# Altium PCB 删除机械层.PcbDoc (continued)
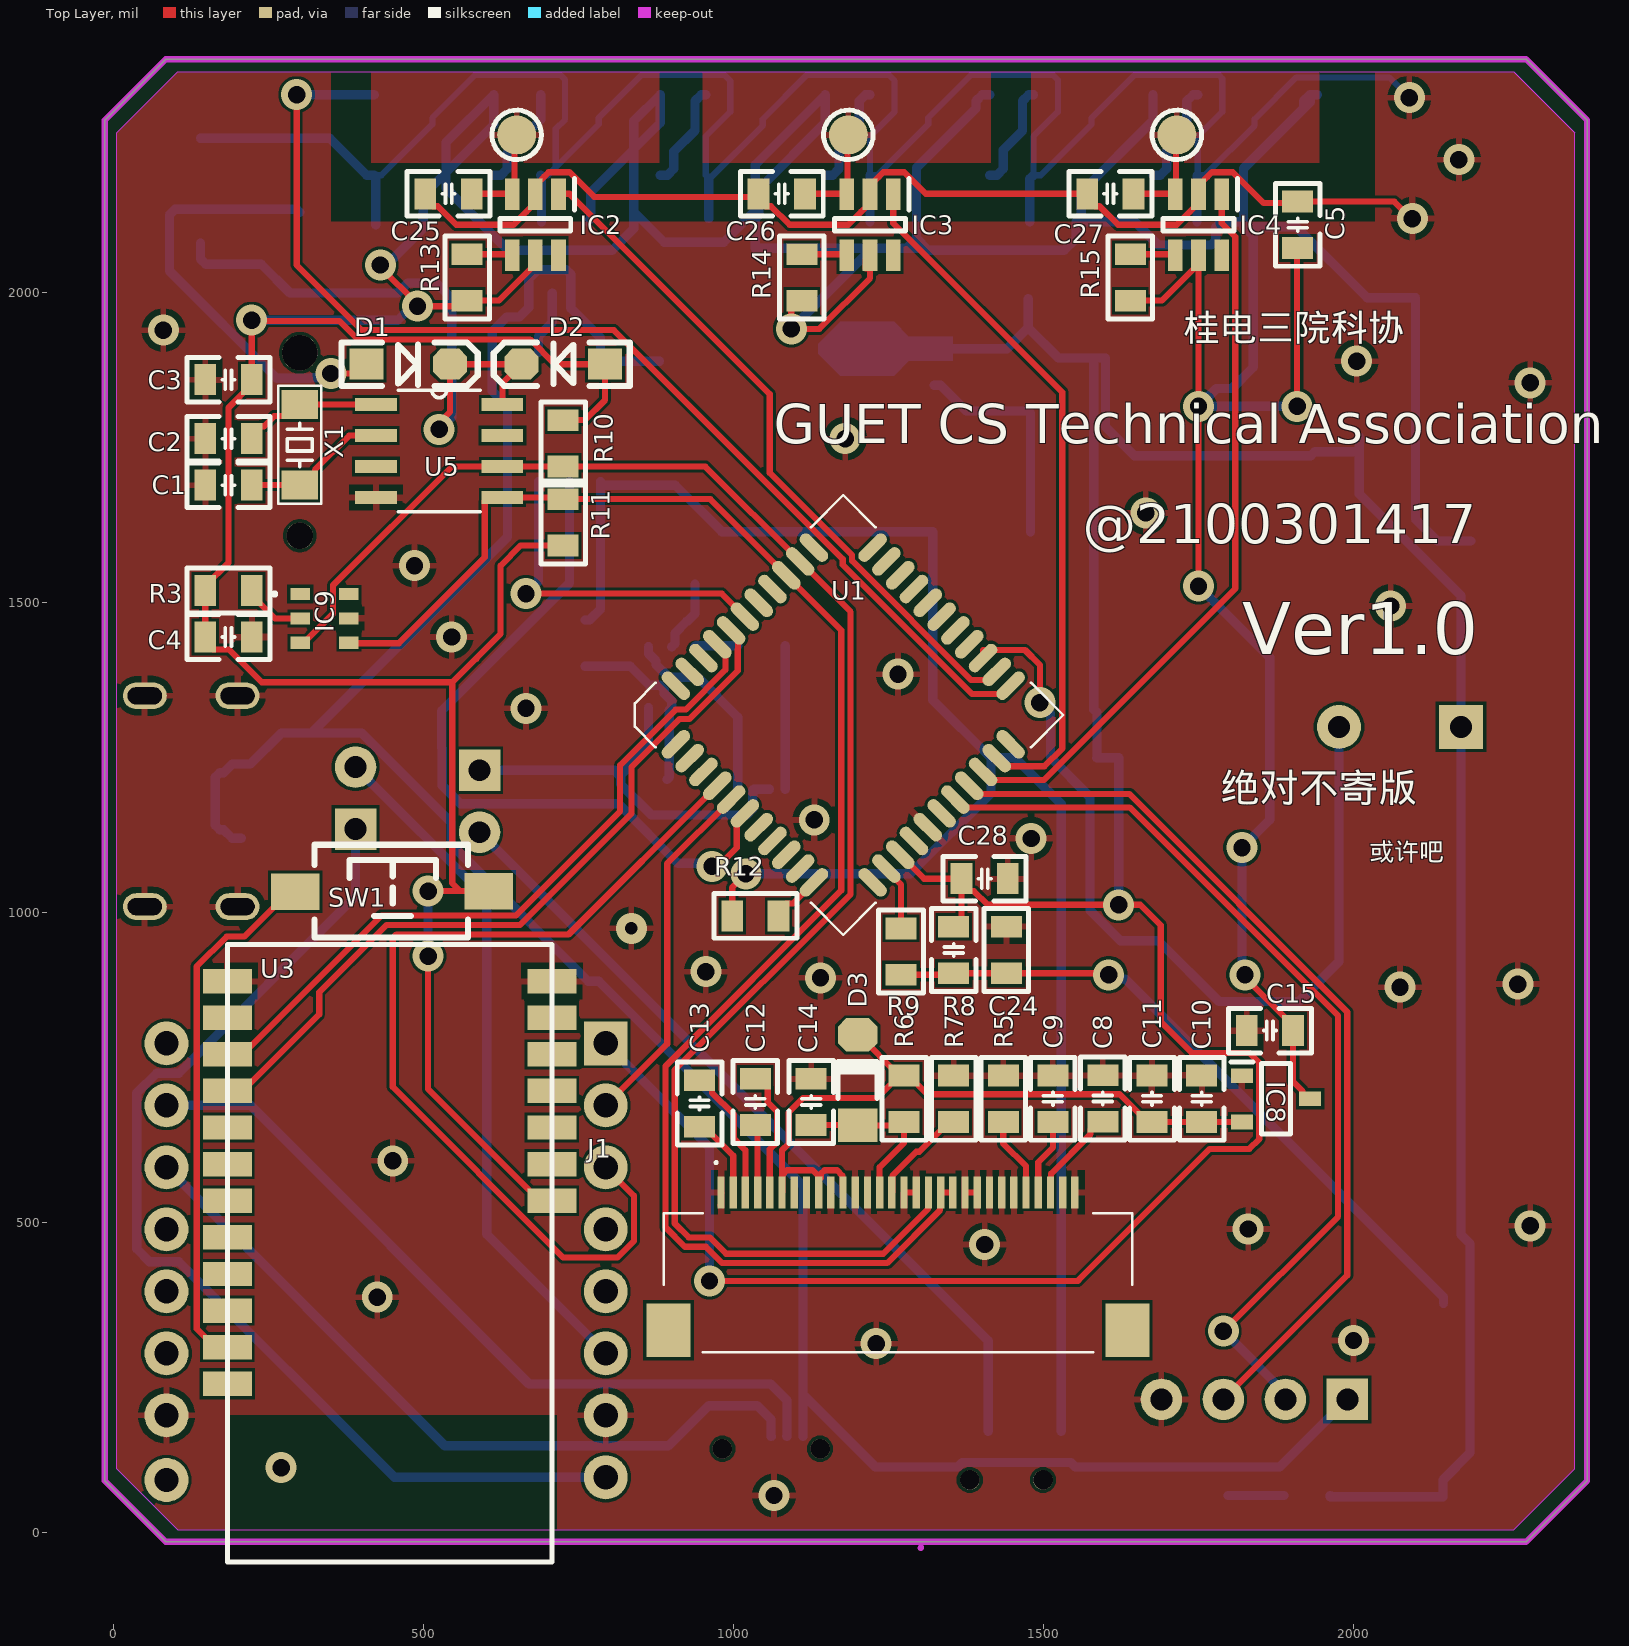
[diagram p0: Top Layer view]
## Footprints (in the part's own frame and the unit in brackets; to place one, negate y for a bottom-side part, rotate by r counter-clockwise, add the part's x,y. Pads: shape width x height; smd on the part's side, far side on the other; paste and mask are expansions set on the pad) (continued)

## Part data
Battery Speaker: library part "Header 2", "2P接插件", BOM名称=2P接插件, 封装库来自淘宝卖家 ID：黄晶宝石=其他店铺购入均为盗版假冒封装库, 联系卖家，免费查找封装=唯一出售店铺网址https://shop463601444.taobao.com
BatterySwitch: library part SSW-1P, "1路波动开关", BOM名称=波动开关, 封装库来自淘宝卖家ID：黄晶宝石=其他店铺购入均为盗版假冒封装库，请立即申请退款, 联系卖家，免费查找封装=唯一出售店铺网址https://shop463601444.taobao.com
C1 C2 C3 C4 C5 C6 C7 C8 C9 C10 C11 C12 C13 C14 C15 C16 C17 C18 C19 C20 C21 C24 C25 C26 C27 C28: library part C, "贴片电容", BOM名称=无极性贴片电容, 联系卖家，免费查找封装=唯一出售店铺网址https://shop463601444.taobao.com
CR1: library part CR-3V, "微型电池", BOM名称=微型电池, 封装库来自淘宝卖家ID：黄晶宝石=其他店铺购入均为盗版假冒封装库，请立即申请退款, 联系卖家，免费查找封装=唯一出售店铺网址https://shop463601444.taobao.com
D1 D2: "Zener Diode", 联系卖家，免费查找封装=唯一出售店铺网址https://shop463601444.taobao.com
D3: "开关二极管", BOM名称=高速开关二极管, 联系卖家，免费查找封装=唯一出售店铺网址https://shop463601444.taobao.com
D4: "肖特基二极管", BOM名称=肖特基二极管, 属性=40V/1A, 联系卖家，免费查找封装=唯一出售店铺网址https://shop463601444.taobao.com
Debug: library part "Header 4", "4P接插件", BOM名称=4P接插件, 封装库来自淘宝卖家 ID：黄晶宝石=其他店铺购入均为盗版假冒封装库, 联系卖家，免费查找封装=唯一出售店铺网址https://shop463601444.taobao.com
E1 E2 E3 E4 E5 E6 E7 E8: library part CE_SMD, "贴片电解电容", BOM名称=贴片电解电容, 联系卖家，免费查找封装=唯一出售店铺网址https://shop463601444.taobao.com
IC2 IC3 IC4: "Integrated Circuit", Manufacturer_Name=TONTEK, Datasheet Link=https://radiokot.ru/konkursCatDay2014/53/01.pdf, Height=1.26mm, Manufacturer_Part_Number=TTP223-BA6
IC6: "锂电池充电管理", BOM名称=锂电池充电管理, 封装库来自淘宝卖家 ID：黄晶宝石=其他店铺购入均为盗版，请立即申请退款，本店现金奖励5~20元, 联系卖家 免费查找封装=唯一出售店铺网址https://shop463601444.taobao.com
IC7: "Integrated Circuit", Manufacturer_Name="Fortune Semiconductor Corporation", Datasheet Link=http://acoptex.com/uploads/DW01A.pdf, Height=1.35mm, Manufacturer_Part_Number=DW01A-G
IC8: "Integrated Circuit", Manufacturer_Name=Torex, Datasheet Link=http://www.torexsemi.com/products/voltage_regulators/data/XC6206.pdf, Height=1.3mm, Manufacturer_Part_Number=XC6206P332MR
IC9: "Integrated Circuit", Manufacturer_Name=Adafruit, Datasheet Link=https://cdn-learn.adafruit.com/assets/assets/000/091/676/original/AHT20-datasheet-2020-4-16.pdf?1591047915, Height=1.1mm, Manufacturer_Part_Number=AHT20
J1: "Connector", Manufacturer_Name="Kyocera Electronic Components", Mouser Part Number=581-046288030000846+, Datasheet Link=https://global.kyocera.com/prdct/electro/product/pdf/6288.pdf, Height=2.15mm, Manufacturer_Part_Number=046288030000846+, Mouser Price/Stock=https://www.mouser.co.uk/ProductDetail/Kyocera-Electronic-Components/046288030000846%2b?qs=HmNO9%252B%2F6HD5kPR%2FYbA40zA%3D%3D
L1: library part L-SMD, "CD系列贴片线绕功率电感", BOM名称=功率电感, 联系卖家，免费查找封装=唯一出售店铺网址https://shop463601444.taobao.com
LED1 LED2 LED3 LED4 LED5 LED6: "LED", Manufacturer_Name=Worldsemi, Datasheet Link=http://www.world-semi.com/DownLoadFile/111, Height=1.62mm, Manufacturer_Part_Number=WS2812B-B
LED7: library part LED-SMD, "贴片LED", BOM名称=贴片LED, 联系卖家 免费查找封装=封装库来自淘宝卖家ID：黄晶宝石
LS1: library part BEEP, "蜂鸣器", BOM名称=蜂鸣器, 封装库来自淘宝卖家ID：黄晶宝石=其他店铺购入均为盗版假冒封装库，请立即申请退款, 联系卖家，免费查找封装=唯一出售店铺网址https://shop463601444.taobao.com
MP3PlayerData: "USB2.0_Micro-B母座", BOM名称=USB2.0_Micro-B母座, 联系卖家 免费技术支持=封装库来自淘宝卖家ID：黄晶宝石, 联系卖家 免费查找封装=唯一出售店铺网址https://shop463601444.taobao.com
Power: "USB_TYPE-C_6Pin母座", 联系卖家 免费技术支持=封装库来自淘宝卖家ID：黄晶宝石, 联系卖家 免费查找封装=唯一出售店铺网址https://shop463601444.taobao.com
PS1: "PFM Step-up Step-up Step-up Step-up DC/DC Converter", Package=Package, Availability=Unavailable, Check_prices=https://www.snapeda.com/parts/ME2108A33P/Nanjing%20Micro%20One%20Electronics/view-part/4258047/?ref=eda, MF="Nanjing Micro One Electronics", MP=ME2108A33P, Price=None, SnapEDA_Link=https://www.snapeda.com/parts/ME2108A33P/Nanjing%20Micro%20One%20Electronics/view-part/4258047/?ref=snap
Q1: "MOSFET (N-Channel)", Manufacturer_Name=fortune, Datasheet Link=http://www.ic-fortune.com/upload/Download/FS8205A-DS-12_EN.pdf, Height=1.2mm, Manufacturer_Part_Number=FS8205A
R1 R2 R3 R4 R5 R6 R7 R8 R9 R10 R11 R12 R13 R14 R15 R16: library part R, "贴片电阻", BOM名称=贴片电阻, 联系卖家，免费查找封装=唯一出售店铺网址https://shop463601444.taobao.com
Reset SW1: library part "SW 3x6", "3x6轻触开关", BOM名称=3x6轻触开关, 封装库来自淘宝卖家ID：黄晶宝石=其他店铺购入均为盗版假冒封装库，请立即申请退款, 联系卖家，免费查找封装=唯一出售店铺网址https://shop463601444.taobao.com
TP1 TP2 TP3: "测试点", BOM名称=测试点, 封装库来自淘宝卖家ID：黄晶宝石=其他店铺购入均为盗版假冒封装库，请立即申请退款, 联系卖家，免费查找封装=唯一出售店铺网址https://shop463601444.taobao.com
U1: library part STC15W4K60S4_LQFP44
U3: "蓝牙模块", 联系卖家，免费查找封装=唯一出售店铺网址https://shop463601444.taobao.com
U4: library part "Mini MP3 Player", "MP3模块", BOM名称=MP3模块, 卖家免费技术支持，联系售后=唯一出售店铺网址https://shop463601444.taobao.com
U5: "Real Time Clock (RTC) IC Clock/Calendar IÂ²C, 2-Wire Serial 8-SOIC (0.154, 3.90mm Width)", Package="SOIC-8 NXP Semiconductors", Availability=Good, Check_prices=https://www.snapeda.com/parts/PCF8563T/F4,118/NXP%20USA%20Inc./view-part/32409/?ref=eda, MF="NXP USA", MP=PCF8563T/F4,118, Price=None, Purchase-URL=https://pricing.snapeda.com/search/part/PCF8563T/F4,118/?ref=eda, SnapEDA_Link=https://www.snapeda.com/parts/PCF8563T/F4,118/NXP%20USA%20Inc./view-part/32409/?ref=snap
V1: library part AMS1117, "三端稳压芯片", BOM名称=稳压芯片, 封装库来自淘宝卖家 ID：黄晶宝石=其他店铺购入均为盗版，请立即申请退款，本店现金奖励5~20元, 联系卖家 免费查找封装=唯一出售店铺网址https://shop463601444.taobao.com
X1: library part XTAL-2P, "2脚无源晶振(谐振器）", BOM名称=2脚无源晶振(谐振器）, 联系卖家，免费查找封装=唯一出售店铺网址https://shop463601444.taobao.com

## Via types
v1: diameter 50, hole 28, Top Layer to Bottom Layer, tented both sides, 50 vias
v2: diameter 31.5, hole 31.5, Top Layer to Bottom Layer, tented both sides, 2 vias
v3: diameter 50, hole 20, Top Layer to Bottom Layer, 1 vias

## Nets (pads, with @x,y where several pads share a name; then routed paths per layer and width w, separated by ;. In a path a pad name is that pad's centre, name@x,y a point inside that pad or via, vN(x,y) a via of type N, cw(c..) or ccw(c..) an arc to the next point about the centre after c; other vN are vias at no path point)
3V3: C3.2 C4.2 C5.2 C15.2 C16.1 C17.1 C18.1 C19.1 C20.1 C21.1 D2.1 E4.1 IC2.5 IC3.5 IC4.5 IC8.3 LED1.1 LED2.1 LED3.1 LED4.1 LED5.1 LED6.1 R3.1 R10.2 R11.2 R13.2 R14.2 R15.2 SW1.2 U3.1 V1.2 V1.4 | length 11311.5
  Top Layer w10: v1(430,2045) 430,2041.8 489.96,1981.84 v1(489.96,1978.64) 561.04,1978.64 R13.2 620.96,1987.6 673.19,2039.84 673.19,2053.98 IC2.5 ; v1(507,930) 507,715.6 687.13,535.47 U3.1 ; v1(507,1035) 559,1035 ; SW1.2 559,1035 ; R10.2 656.6,1592.6 624,1560 624,1450 584.5,1410.5 ; R11.2 760,1794.8 792.5,1827.3 D2.1 711.64,1885 671.64,1925 393.79,1925 363.79,1955 223.4,1955 v1(222.4,1956) C3.2 222.4,1852.5 185,1815.1 185,1564.9 147.59,1527.5 R3.1 147.59,1503.81 C4.2 147.6,1437.5 160.1,1425 185.76,1425 238.77,1372 546,1372 ; R14.2@1117.5,1987.6 R14.2 1105.5,1987.6 1093,1975.1 v1(1093,1942) 1138,1942 1220,2024 IC3.5 1213.19,2053.98 IC3.5@1213.19,2039.84 ; R15.2 1690.96,1987.6 1743.19,2039.84 1743.19,2053.98 IC4.5 v1(1750,1817) v1(1750,1527) ; v1(1825,900) 1825,894.89 1902.4,817.5 C15.2 1902.4,727.72 1917.4,712.72 1917.4,706.81 1924.21,700 IC8.3 ; v1(1909,1817) 1909,2072.6 C5.2 ; 546,1372 546,1048 559,1035 ; 546,1372 584,1410 ; 584,1410 584.5,1410.5 ; 584,1410 585,1410 584.5,1410.5
  Bottom Layer w15: v1(222.4,1956) 457.85,1956 480.49,1978.64 v1(489.96,1978.64) ; v1(430,2045) 436.7,2051.7 446.6,2051.7 497.4,2102.5 C21.1 499.05,2111.65 499.05,2157.5 612.91,2271.36 LED1.1 536,2243.01 536,2169.01 636.01,2069 804,2069 839,2104 839,2131 ; v1(507,930) v1(507,1035) ; C20.1 769.53,2119.72 769.53,2162.5 881.46,2274.43 LED2.1 839,2277.47 839,2131 ; v1(1093,1942) 1223,2072 ; LED4.1 1401.1,2319.92 1390.89,2309.71 1390.89,2297.89 1294.8,2201.81 C18.1 1294.8,2088 ; LED5.1 1676.46,2278.13 1560.83,2162.5 1560.83,2123.42 C17.1 ; v1(1750,1527) 1865,1412 1865,1150 v1(1820,1105) 1820,905 v1(1825,900) ; 1871,2105.53 1871,2107 ; 1871,2249 1930,2308 1930,2319.92 LED6.1 1929.65,2319.92 1919.43,2309.71 1919.43,2297.89 1822.4,2200.87 C16.1 ; v1(1909,1817) v1(1750,1817) 1779,1846 1804,1846 1838,1880 1838,2072.53 1838,2091.4 C16.1@1822.4,2107 ; E4.1 2135,1600 2100,1635 V1.2 V1.4 2022,1992.2 1907.2,2107 1871,2107 ; 839,2131 888,2082 984,2082 1035,2133 1035,2207.01 LED3.1 1147.91,2275.16 1040.26,2167.5 1040.26,2125.45 C19.1 1034.8,2072 1223,2072 ; 1223,2072 1278.8,2072 ; 1278.8,2072 1294.8,2072 1294.8,2088 ; 1278.8,2072 1294.8,2088 ; 1294.8,2088 1313.8,2069 1533.4,2069 1552.4,2088 C17.1 ; C17.1 1647.59,2115 1685.09,2077.5 1770.28,2077.5 1777.6,2084.82 1777.6,2106.21 1786.39,2115 C16.1 ; C16.1@1822.4,2107 1871,2107 ; C16.1@1822.4,2107 C16.1
+5: C6.2 C24.1 C28.1 D4.2 E3.1 E5.1 E8.1 LS1.1 PS1.2 R16.1 Reset.1 U1.14 U4.1 V1.3 | length 6234.7
  Top Layer w10: v1(961,406) 1434,406 1555,406 1557,408 1768,619 1832,619 1848,635 1848,758 1832,774 1739,774 1689,824 1689,980 1656,1013 v1(1621,1013) 1409.59,1013 1387.6,1035 1380.1,1035 C28.1@1367.6,1047.5 ; U1.14 1307.29,1055 C28.1 C28.1@1367.6,1047.5 ; C24.1@1367.6,989.9 1367.6,1013 1367.6,1029.4 C28.1@1367.6,1047.5
  Bottom Layer w15: U4.1 961,621.99 v1(961,406) ; PS1.2 1441,1910 1475,1944 ; D4.2 1475,1944 ; E3.1 E3.1@1581,1575 ; E8.1 E8.1@1586,1250 ; v1(1621,1013) 1621,1250 E8.1@1586,1250 ; R16.1 1962.4,58 Reset.1@2144.21,58 ; V1.3 V1.3@2009.45,1744 ; Reset.1 Reset.1@2144.21,58 ; 1475,1944 1524,1895 E5.1 E5.1@1581,1895 ; E3.1@1581,1575 E5.1@1581,1895 ; E3.1@1581,1575 1581,1328 1586,1323 E8.1@1586,1250 ; E5.1@1581,1895 1600,1895 1600,1784 1646.6,1737.4 C6.2 1931,1737.4 1937.6,1744 V1.3@2009.45,1744 ; V1.3@2009.45,1744 2009.45,1675.55 2173.43,1511.57 LS1.1 2173.43,480.57 2188,466 2188,128.79 2144.21,85 Reset.1@2144.21,58
BAT+: BatterySwitch.1 E2.1 E7.1 IC6.5 L1.1 R1.2 R12.1 | length 2970.1
  Top Layer w10: R12.1 997.6,1041 v1(1019.6,1063)
  Bottom Layer w15: R1.2 767.5,1472.4 785,1489.9 IC6.5@785,1694.16 ; IC6.5 IC6.5@785,1694.16 ; v1(1019.6,1063) 1285,1063 1415,1193 1415,1250 E2.1 ; BatterySwitch.1 1528.58,1175.43 1454.02,1250 E2.1 ; IC6.5@785,1694.16 789.16,1690 E7.1 905.94,1690 980.94,1615 L1.1 1321.26,1343.39 1414.65,1250 E2.1
BAT+_2: Battery.2 BatterySwitch.2 | length 1306.3
  Bottom Layer w15: Battery.2 1410.47,309.53 BatterySwitch.2
BAT-: Battery.1 C7.1 IC7.6 Q1.2 Q1.3 | length 669.2
  Bottom Layer w15: Battery.1 807.6,1230 C7.1@817.6,1220 ; IC7.6 862.6,1267.51 817.6,1222.5 C7.1@817.6,1220 ; Q1.2 Q1.3 1030.85,1197.97 1030.85,1167.99 1020.65,1157.79 867.31,1157.79 817.6,1207.5 C7.1 C7.1@817.6,1220
BEP: LS1.2 U1.25 | length 1411.9
  Top Layer w10: U1.25 1402.27,1424 1470,1424 1494,1400 v1(1494,1339)
  Bottom Layer w15: v1(1494,1339) 1511,1322 1511,1251 1575,1187 1575,1004 1624,955 1685,955 1783,857 1912,857 1976.57,921.57 LS1.2
BT_RX: U1.41 U3.10 | length 1145.8
  Top Layer w10: U3.10@188.19,771.69 207.88,771.69 431.65,995.47 648.51,995.47 816.72,1163.68 816.72,1237.93 906.6,1327.81 922.59,1327.81 986.78,1391.99 986.78,1420.05 U1.41
BT_TX: U1.40 U3.11 | length 1234
  Top Layer w10: U3.11@188.19,712.64 207.88,712.64 331.28,836.04 331.28,871.75 440,980.47 655.47,980.47 835,1160 835,1235 912.81,1312.81 928.81,1312.81 1006.62,1390.62 1006.62,1425 1007.19,1425.58 1007.19,1444.18 U1.40
CRGS_CG: IC6.7 U1.39 | length 557.4
  Top Layer w10: v1(665,1515) 980.91,1515 U1.39
  Bottom Layer w15: v1(665,1515) 685,1535 IC6.7
CRGS_CP: IC6.6 U1.6 | length 1161.2
  Top Layer w10: v1@980,1080 1004.87,1104.87 1004.87,1147.23 U1.6
  Bottom Layer w15: IC6.6 735,1531.97 529.03,1325.99 529.03,1265.97 530,1265 530,1205.39 559.43,1175.96 814.04,1175.96 910,1080 960,1080 v1(965,1075)
Debug_RX: Debug.2 U1.18 | length 1491.6
  Top Layer w10: U1.18 1370.46,1170 1638.79,1170 1975,833.79 1975,510 v1(1790,325)
  Bottom Layer w15: v1@1795,320 1890,225 Debug.2
Debug_TX: Debug.3 U1.19 | length 1469
  Top Layer w10: U1.19 1393.22,1191.78 1638.22,1191.78 1990,840 1990,415 Debug.3
GND: C1.1 C2.2 C3.1 C4.1 C5.1 C6.1 C8.1 C9.1 C10.1 C11.1 C14.1 C15.1 C16.2 C17.2 C18.2 C19.2 C20.2 C21.2 C25.2 C26.2 C27.2 C28.2 CR1.2 Debug.4 E1.2 E2.2 E3.2 E4.2 E5.2 E6.2 E7.2 E8.2 IC2.2 IC3.2 IC4.2 IC6.1 IC6.3 IC8.1 IC9.5 J1.1 J1.8 J1.10 J1.12 J1.13 J1.16 J1.17 J1.21 J1.22 J1.23 J1.24 J1.25 J1.29 J1.30 LED1.3 LED2.3 LED3.3 LED4.3 LED5.3 LED6.3 LED7.2 MP3PlayerData.5 Power.0 Power.A12 Power.B12 PS1.1 Q1.6 Q1.7 R2.2 R4.1 R5.1 R7.1 R8.1 U1.16 U3.7 U3.8 U4.7 U4.10 U5.4 V1.1 | length 5901.7
  Top Layer w10: C25.2 502.6,2152.5 515.1,2140 522.6,2140 552.61,2110 644.93,2110 665.62,2130.69 665.62,2131.05 680,2145.43 IC2.2 680,2172.99 694.38,2187.37 694.38,2187.73 701.45,2194.8 735.2,2194.8 775,2155 1035.2,2155 C26.2 1040.2,2152.5 1052.7,2140 1060.2,2140 1090.2,2110 1184.93,2110 1205.62,2130.69 1205.62,2131.05 1220,2145.43 IC3.2 1220,2172.99 1234.38,2187.37 1234.38,2187.73 1241.45,2194.8 1275.2,2194.8 1310,2160 C27.2 1570.2,2152.5 1582.7,2140 1590.2,2140 1620.2,2110 1714.93,2110 1735.62,2130.69 1735.62,2131.05 1750,2145.43 IC4.2 1750,2172.99 1764.38,2187.37 1764.38,2187.73 1771.45,2194.8 1805.2,2194.8 1855,2145 1907.59,2145 C5.1 2065.84,2147.41 2093.24,2120 v1(2095,2120) ; J1.1@978.66,528.35 979.57,529.25 J1.1 J1.1@980.47,548.03 ; J1.8@1117.36,529.25 J1.8 ; J1.16 J1.17 ; J1.21 J1.22 ; J1.24@1432.32,529.25 J1.24
  Bottom Layer w10: LED1.3 431.81,2190 513.92,2272.11 513.92,2282.31 583.31,2351.7 720,2351.7 728.07,2343.63 728.07,2279.75 713.07,2264.75 LED2.3@713.07,2202.72 ; LED2.3 700.36,2190 LED2.3@713.07,2202.72 ; LED3.3 955,2252.48 994.53,2292.01 994.53,2342.18 985,2351.7 851.85,2351.7 782.46,2282.31 782.46,2272.11 LED2.3@713.07,2202.72 ; LED3.3@960,2185 961.81,2185 1046.89,2270.08 1046.89,2280.28 1118.31,2351.7 1250,2351.7 1259.53,2342.18 1259.53,2292.01 1220,2252.48 LED4.3 1231.81,2190 1313.92,2272.11 1313.92,2282.31 1383.31,2351.7 1515,2351.7 1523.07,2343.63 1523.07,2292.01 1483.54,2252.48 LED5.3 1495.36,2190 1577.46,2272.11 1577.46,2282.31 1646.85,2351.7 1782.21,2351.7 1788.07,2345.85 1788.07,2292.01 1748.54,2252.48 LED6.3 1760.36,2190 1840.43,2270.07 1840.43,2280.28 1907.79,2347.64 2057.36,2347.64 v1(2090,2315)
  Bottom Layer w15: E1.2 348.54,2249.65 408.19,2190 LED1.3 422.6,2187.4 C21.2 ; LED2.3 690,2188.54 C20.2 ; C19.2 LED3.3@960,2185 ; C18.2 LED4.3 ; C17.2 1477.6,2184.06 LED5.3 ; C16.2 1747.6,2189.06 LED6.3
  other v1: 1065,60 1230,305 2000,310 425,380 1405,465 1830,490 2285,495 450,600 2075,880 2265,885 1140,895 955,905 1480,1120 1130,1150 665,1330 1265,1385 545,1445 2060,1495 485,1560 1665,1645 1180,1765 2285,1855 2005,1890 80,1940 2170,2215
  other v3: 835,975
IAP15_RST: R9.2 U1.13 | length 106.4
  Top Layer w10: U1.13 1246.37,1068.75 1270,1045.13 R9.2
LED_IN: LED1.4 U1.23 | length 1849.2
  Top Layer w10: v1(295,2320) 295,2045 400,1940 806.69,1940 1176.04,1570.65 1176.04,1561.52 1384.32,1353.24 1433.59,1353.24 U1.23
  Bottom Layer w15: v1(295,2320) v1(295,2320) 419.96,2319.96 LED1.4
MP3Player_RX: U1.5 U4.2 | length 577.1
  Top Layer w10: U4.2 892.74,788.41 892.74,1079.65 U1.5
MP3Player_TX: U1.4 U4.3 | length 1517.2
  Top Layer w10: U4.3 839.1,543.9 839.1,470.51 812.48,443.9 725.19,443.9 450,719.09 450,724.09 450,959.14 455.86,965 733.55,965 U1.4
NetC1_2: C1.2 U5.2 X1.2 | length 237.2
  Top Layer w10: C1.2 X1.2 X1.2 305.91,1690.04 324.53,1708.66 324.53,1714.57 379.96,1770 U5.2
NetC2_1: C2.1 U5.1 X1.1 | length 227.8
  Top Layer w10: C2.1 222.4,1772.5 234.9,1785 242.4,1785 258.74,1801.34 281.38,1801.34 X1.1 X1.1 U5.1
NetC7_2: C7.2 IC7.5 R1.1 | length 296.4
  Bottom Layer w15: R1.1 833.19,1397.6 863.88,1366.91 880.57,1366.91 887.89,1359.59 887.89,1353.72 900,1341.61 IC7.5 896.2,1326.99 896.2,1218.81 C7.2
NetC8_2: C8.2 J1.28 | length 153.5
  Top Layer w10: J1.28 1511.97,549.84 1511.97,579.36 1575.64,643.03 1575.64,650.53 1588.14,663.03 C8.2
NetC9_2: C9.2 J1.27 | length 123.4
  Top Layer w10: J1.27 1491.38,597.55 1515,621.17 C9.2
NetC12_1: C12.1 J1.4 | length 110.2
  Top Layer w10: C12.1 1038.62,653.98 J1.4
NetC12_2: C12.2 J1.5 | length 207.2
  Top Layer w10: C12.2 1042.5,732.4 1055,719.9 1055,694.24 1070,679.24 1070,630.23 1058.31,618.54 J1.5
NetC13_1: C13.1 J1.2 | length 132.9
  Top Layer w10: C13.1 952.5,655 999.25,608.25 J1.2
NetC13_2: C13.2 J1.3 | length 215.9
  Top Layer w10: C13.2 952.5,729.8 965,717.3 965,709.8 1000,674.8 1000,635.95 1018.94,617.02 J1.3
NetC14_2: C14.2 D3.1 J1.14 R6.1 | length 282.6
  Top Layer w10: C14.2 1199.37,657.6 D3.1 1269.38,656.97 R6.1 1275,629.13 1235.47,589.59 J1.14
NetC24_2: C24.2 R8.2 R9.1 Reset.2 | length 1102.5
  Top Layer w10: R9.1 1352.39,900 C24.2 R8.2 1602.4,902.6 v1(1605,900)
  Bottom Layer w15: v1(1605,900) 1611.7,893.3 1631.54,893.3 2145,379.84 Reset.2
NetC25_1: C25.1 IC2.3 TP1.1 | length 164.4
  Top Layer w10: C25.1 641.81,2160 IC2.3 646.3,2162.91 646.3,2251.3 TP1.1
NetC26_1: C26.1 IC3.3 TP2.1 | length 163.1
  Top Layer w10: C26.1 1181.81,2160 1183.8,2161.99 1183.8,2253.8 TP2.1
NetC27_1: C27.1 IC4.3 TP3.1 | length 164.1
  Top Layer w10: C27.1 1713.39,2160 1713.8,2160.41 1713.8,2253.8 TP3.1
NetCR1_1: CR1.1 D1.1 | length 705
  Top Layer w10: v1(350,1870) 392.5,1870 D1.1
  Bottom Layer w15: CR1.1 295,2135 98.79,2135 90,2126.21 90,2035.36 262.86,1862.5 317,1862.5 317.8,1863.3 343.3,1863.3 v1(350,1870)
NetD1_2: D1.2 D2.2 E1.1 U5.8 | length 994.7
  Top Layer w10: v1(525,1780) 525,1790.82 542.5,1808.32 D1.2 D2.2 657.5,1884.79 627,1854.29 U5.8
  Bottom Layer w15: E1.1 140,2054.76 148.25,2046.52 237.85,2046.52 284.37,2000 458.28,2000 474.43,2016.14 520.07,2016.14 545,1991.21 545,1800 v1(525,1780)
NetD4_1: D4.1 L1.2 PS1.3 | length 364.4
  Bottom Layer w15: PS1.3 1333.58,1850.94 1375.08,1809.45 D4.1 1478.74,1805.71 L1.2
NetIC2_4: IC2.4 R13.1 | length 73.3
  Top Layer w10: R13.1 640.98,2062.4 IC2.4
NetIC3_4: IC3.4 R14.1 | length 73.3
  Top Layer w10: R14.1 1180.98,2062.4 IC3.4
NetIC4_4: IC4.4 R15.1 | length 73.3
  Top Layer w10: R15.1 1710.98,2062.4 IC4.4
NetIC6_2: IC6.2 R4.2 | length 105
  Bottom Layer w15: IC6.2 685,1930.2 707.31,1952.5 707.31,1999.91 R4.2
NetIC7_1: IC7.1 Q1.4 | length 317.2
  Bottom Layer w15: IC7.1 862.6,1418.39 874.7,1406.28 874.7,1400.41 884.91,1390.21 885.56,1390.21 895.77,1380 942.29,1380 1006.61,1315.67 Q1.4
NetIC7_2: IC7.2 R2.1 | length 116.9
  Bottom Layer w15: IC7.2 905.3,1434.51 905.3,1451.2 924.35,1470.26 925.35,1470.26 937.6,1482.5 R2.1
NetIC7_3: IC7.3 Q1.5 | length 69.8
  Bottom Layer w15: IC7.3 938.86,1430.67 Q1.5
NetIC9_2: IC9.2 R3.2 | length 101.3
  Top Layer w10: R3.2 222.4,1512.5 259.9,1475 IC9.2
NetJ1_15: J1.15 R7.2 | length 162.1
  Top Layer w10: J1.15 1256.06,549.84 1256.06,575.8 1294.65,614.39 1299.28,614.39 1347.5,662.6 R7.2
NetJ1_26: J1.26 R5.2 | length 128.9
  Top Layer w10: R5.2 1435,627.71 1471.69,591.01 J1.26
NetLED1_2: LED1.2 LED2.4 | length 168.2
  Bottom Layer w15: LED1.2 624.73,2190 634.94,2200.22 634.94,2226.1 688.54,2279.71 LED2.4
NetLED2_2: LED2.2 LED3.4 | length 171.6
  Bottom Layer w15: LED2.2 893.27,2190 903.48,2200.22 903.48,2228.19 937.5,2262.21 937.5,2309.71 947.72,2319.92 LED3.4
NetLED3_2: LED3.2 LED4.4 | length 171
  Bottom Layer w15: LED3.2 1159.73,2190 1169.94,2200.22 1169.94,2229.65 1202.5,2262.21 1202.5,2309.71 1212.72,2319.92 LED4.4
NetLED4_2: LED4.2 LED5.4 | length 170.4
  Bottom Layer w15: LED4.2 1424.73,2190 1434.94,2200.22 1434.94,2230.66 1466.04,2261.76 1466.04,2309.71 1476.26,2319.92 LED5.4
NetLED5_2: LED5.2 LED6.4 | length 171
  Bottom Layer w15: LED5.2 1688.27,2190 1698.48,2200.22 1698.48,2229.65 1731.04,2262.21 1731.04,2309.71 1741.26,2319.92 LED6.4
NetLED7_1: LED7.1 R16.2 | length 90.2
  Bottom Layer w15: LED7.1 R16.2
NetMP3Player_Debug_2: MP3PlayerData.2 U4.15 | length 1257.5
  Bottom Layer w15: U4.15 220.39,689.33 669.72,240 1028.57,240 1060,240 1086.18,213.82 MP3PlayerData.2 MP3PlayerData.2@1085.81,155.37
NetMP3Player_Debug_3: MP3PlayerData.3 U4.14 | length 1225.5
  Bottom Layer w15: U4.14 534.33,140 894.58,140 947.64,193.06 959.58,205 1038.11,205 1060.22,182.89 1060.22,155.37 MP3PlayerData.3
NetQ1_1: Q1.1 Q1.8 | length 231.3
  Bottom Layer w15: Q1.1 Q1.8
NetR12_2: R12.2 U1.11 | length 83.9
  Top Layer w10: R12.2 1072.4,1002.5 1084.9,1015 1095.34,1015 U1.11
NetSW1_1: SW1.1 U3.18 | length 855.2
  Top Layer w10: U3.18 163.51,299.25 133.82,328.94 133.82,913.63 181.85,961.66 210.29,961.66 282.84,1034.21 SW1.1
SCL: IC9.3 J1.18 R11.1 U1.35 U5.6 | length 2719.4
  Top Layer w10: IC9.3 306.54,1435.63 353.62,1482.72 353.62,1528.35 545.27,1720 U5.6 R11.1 954.08,1720 U1.35 1188.55,1485.53 1188.55,1030 905,746.45 905,498.79 927.5,476.29 961.42,476.29 987.71,450 1241.23,450 1313.31,522.08 1313.31,548.03 J1.18
SDA: IC9.4 J1.19 J1.20 R10.1 U1.36 U5.5 | length 2665.3
  Top Layer w10: IC9.4 380,1435 460,1435 598.5,1573.5 598.5,1664.5 604,1670 U5.5 722.4,1670 R10.1 962.14,1667.4 U1.36 1173.55,1455.99 1173.55,1036.21 890,752.66 890,492.57 921.29,461.29 955.21,461.29 981.5,435 1247.44,435 1332.99,520.55 1332.99,548.03 J1.19 J1.20
SPK+: Speaker.2 U4.6 | length 1112.9
  Bottom Layer w15: Speaker.2 601.49,1023.51 601.49,481.51 U4.6
SPK-: Speaker.1 U4.8 | length 1753.4
  Bottom Layer w15: Speaker.1 390,1026.54 104.85,741.4 69.28,741.4 37.07,709.18 37.07,457.93 57.74,437.26 104.85,437.26 452.79,89.33 U4.8
TOUCH_K1: IC2.1 U1.24 | length 1127.3
  Top Layer w10: IC2.1@717.4,2145.43 IC2.1@724.21,2138.62 ; IC2.1 718.19,2160 735,2160 1058.2,1836.8 1058.2,1709.7 1191.04,1576.86 1191.04,1567.73 1383.26,1375.51 1411.32,1375.51 U1.24
TOUCH_K2: IC3.1 U1.21 | length 1129.9
  Top Layer w10: IC3.1 1257.4,2112.33 1530,1839.73 1530,1265 1501.32,1236.32 1437.77,1236.32 U1.21
TOUCH_K3: IC4.1 U1.20 | length 1185.6
  Top Layer w10: U1.20 1415.5,1214.05 1500.26,1214.05 1809.21,1523 1809.21,2090.52 1787.4,2112.33 IC4.1
Vin: Debug.1 E6.1 IC6.4 IC6.8 MP3PlayerData.1 Power.A9 Power.B9 | length 4051.2
  Bottom Layer w15: Power.B9 190.96,1120.23 177.11,1134.08 170.84,1134.08 163.51,1141.4 163.51,1218.75 170.84,1226.08 177.11,1226.08 190.97,1239.93 Power.A9 220.07,1239.93 270.37,1290.23 318.86,1290.23 ; E6.1 789.16,1890 785,1894.16 IC6.4 785,1927.76 737.4,1975.37 737.4,2030.18 730.08,2037.5 684.72,2037.5 669.38,2022.16 669.38,1976.61 654.04,1961.27 633.86,1961.27 610.5,1937.91 610.5,1841.97 635,1817.47 IC6.8 635,1606.37 318.86,1290.23 ; MP3PlayerData.1 1111.77,223.06 ; Debug.1 1880.96,105.96 1550.96,105.96 1543.68,113.25 1369.24,113.25 1361.96,105.96 1228.87,105.96 1173.27,161.56 1111.77,223.06 ; 318.86,1290.23 399.78,1290.23 544.04,1145.97 544.04,1110.96 765.6,889.4 782.14,889.4 1111.77,559.76 1111.77,223.06
VSC: C10.2 C11.2 D3.2 IC8.2 J1.6 J1.9 J1.11 R6.2 | length 1214.5
  Top Layer w10: J1.9 1136.14,549.84 1136.14,575.8 1127.41,584.53 1085.86,584.53 1078.9,577.57 1078.9,549.84 J1.6 1077.99,617.01 1088.78,627.8 1088.78,678.03 1112.22,701.46 1231.57,701.46 R6.2@1267.5,737.4 ; J1.9@1137.05,568.62 1140.83,572.4 1140.83,578.67 1146.68,584.53 1166.78,584.53 1175.51,575.8 1175.51,549.84 J1.11 ; D3.2 1201.87,803.03 R6.2@1267.5,737.4 ; IC8.2 C10.2 C11.2 1667.5,662.6 1640.1,690 1640,690 1622.55,707.45 1312.45,707.45 1282.5,737.4 R6.2 R6.2@1267.5,737.4
pads on no net: "BatterySwitch. " BatterySwitch.0 BatterySwitch.3 CR1.0 IC2.6 IC3.6 IC4.6 IC6.9 IC6.10 IC6.11 IC7.4 IC9.1 IC9.6 J1.7 J1.MP1 J1.MP2 LED6.2 MP3PlayerData.4 Power.A5 Power.B5 U1.1 U1.2 U1.3 U1.7 U1.8 U1.9 U1.10 U1.12 U1.15 U1.17 U1.22 U1.26 U1.27 U1.28 U1.29 U1.30 U1.31 U1.32 U1.33 U1.34 U1.37 U1.38 U1.42 U1.43 U1.44 U3.2 U3.3 U3.4 U3.5 U3.6 U3.9 U3.12 U3.13 U3.14 U3.15 U3.16 U3.17 U3.19 U4.4 U4.5 U4.9 U4.11 U4.12 U4.13 U4.16 U5.3 U5.7
copper on no net:
  other v1: 270,105
  other v2: 981.85,135.31 1139.33,135.31

## Polygon pours and split planes (outlines as drawn)
GND on Top Layer "NONET_L-01_P-001" (solid, pour order 5): 350,2115 350,2355 100,2355 5,2260 5,100 100,5 185,5 185,190 715,190 715,5 2260,5 2355,100 2355,2260 2260,2355 2035,2355 2035,2115
NetC27_1 on Top Layer "NETC27_1_L01_P002" (solid, pour order 2): 1480,2355 1480,2210 1945,2210 1945,2355
NetC26_1 on Top Layer "NETC26_1_L01_P001" (solid, pour order 1): 950,2355 950,2210 1415,2210 1415,2355
NetC25_1 on Top Layer "NETC25_1_L01_P000" (solid, pour order 0): 415,2355 415,2210 880,2210 880,2355
GND on Bottom Layer "NONET_L-01_P-001" (solid, pour order 6): 350,2115 350,2355 100,2355 5,2260 5,100 100,5 185,5 185,190 710,190 710,10 715,5 2260,5 2355,100 2355,2260 2260,2355 2035,2355 2035,2115

## Keep-outs
Keep-Out Layer:
  lines w1: 5,103.43 5,2258.78 103.43,2357.2 2258.78,2357.2 2357.2,2258.78 2357.2,103.43 2258.78,5 103.43,5 5,103.43
  lines w10: -14.68,83.74 -14.68,2278.46 83.74,2376.89 2278.46,2376.89 2376.89,2278.46 2376.89,83.74 2278.46,-14.68 83.74,-14.68 -14.68,83.74

## Silkscreen, mask and mechanical layers (free items; w line width, h text height)
Top Overlay:
  text "桂电三院科协" at 1725.07,1908.54 h75
  text "GUET CS Technical Association" at 1064.3,1736.2 h108
  text "@2100301417" at 1563.5,1575 h108
  text "Ver1.0" at 1820.13,1389.73 h144
  text "绝对不寄版" at 1785.07,1164.1 h80
  text "或许吧" at 2025,1074.62 h50
Bottom Overlay:
  text "Bilibili @是你李某人" at 2145.44,966.22 h120
  text "GitHub @Challenger-0" at 2145.78,776.78 h120
  text "Email challenger--@outlook.com" at 2155,591.78 h120
  text "本作品由本人独立设计完成，禁止未经许可的二次发布和转载" at 2175,486.93 h50
  text "ON/OFF" at 1525,289.28 h30
  text "GND" at 1730,260 h30
  text "TX" at 1815,260 h30
  text "RX" at 1915,260 h30
  text "Vin" at 2020,260 h30
Top Solder:
  rectangle: 1480,2210 1945,2355
  rectangle: 950,2210 1420,2355
  rectangle: 415,2210 885,2355
Mechanical 1:
  lines w10: -14.68,85 -14.68,2278.46 83.74,2376.89 2278.46,2376.89 2376.89,2278.46 2376.89,83.74 2278.46,-14.68 85,-14.68 -14.68,85